# Altium PCB EPS.PcbDoc (part 3 of 10) (continued)
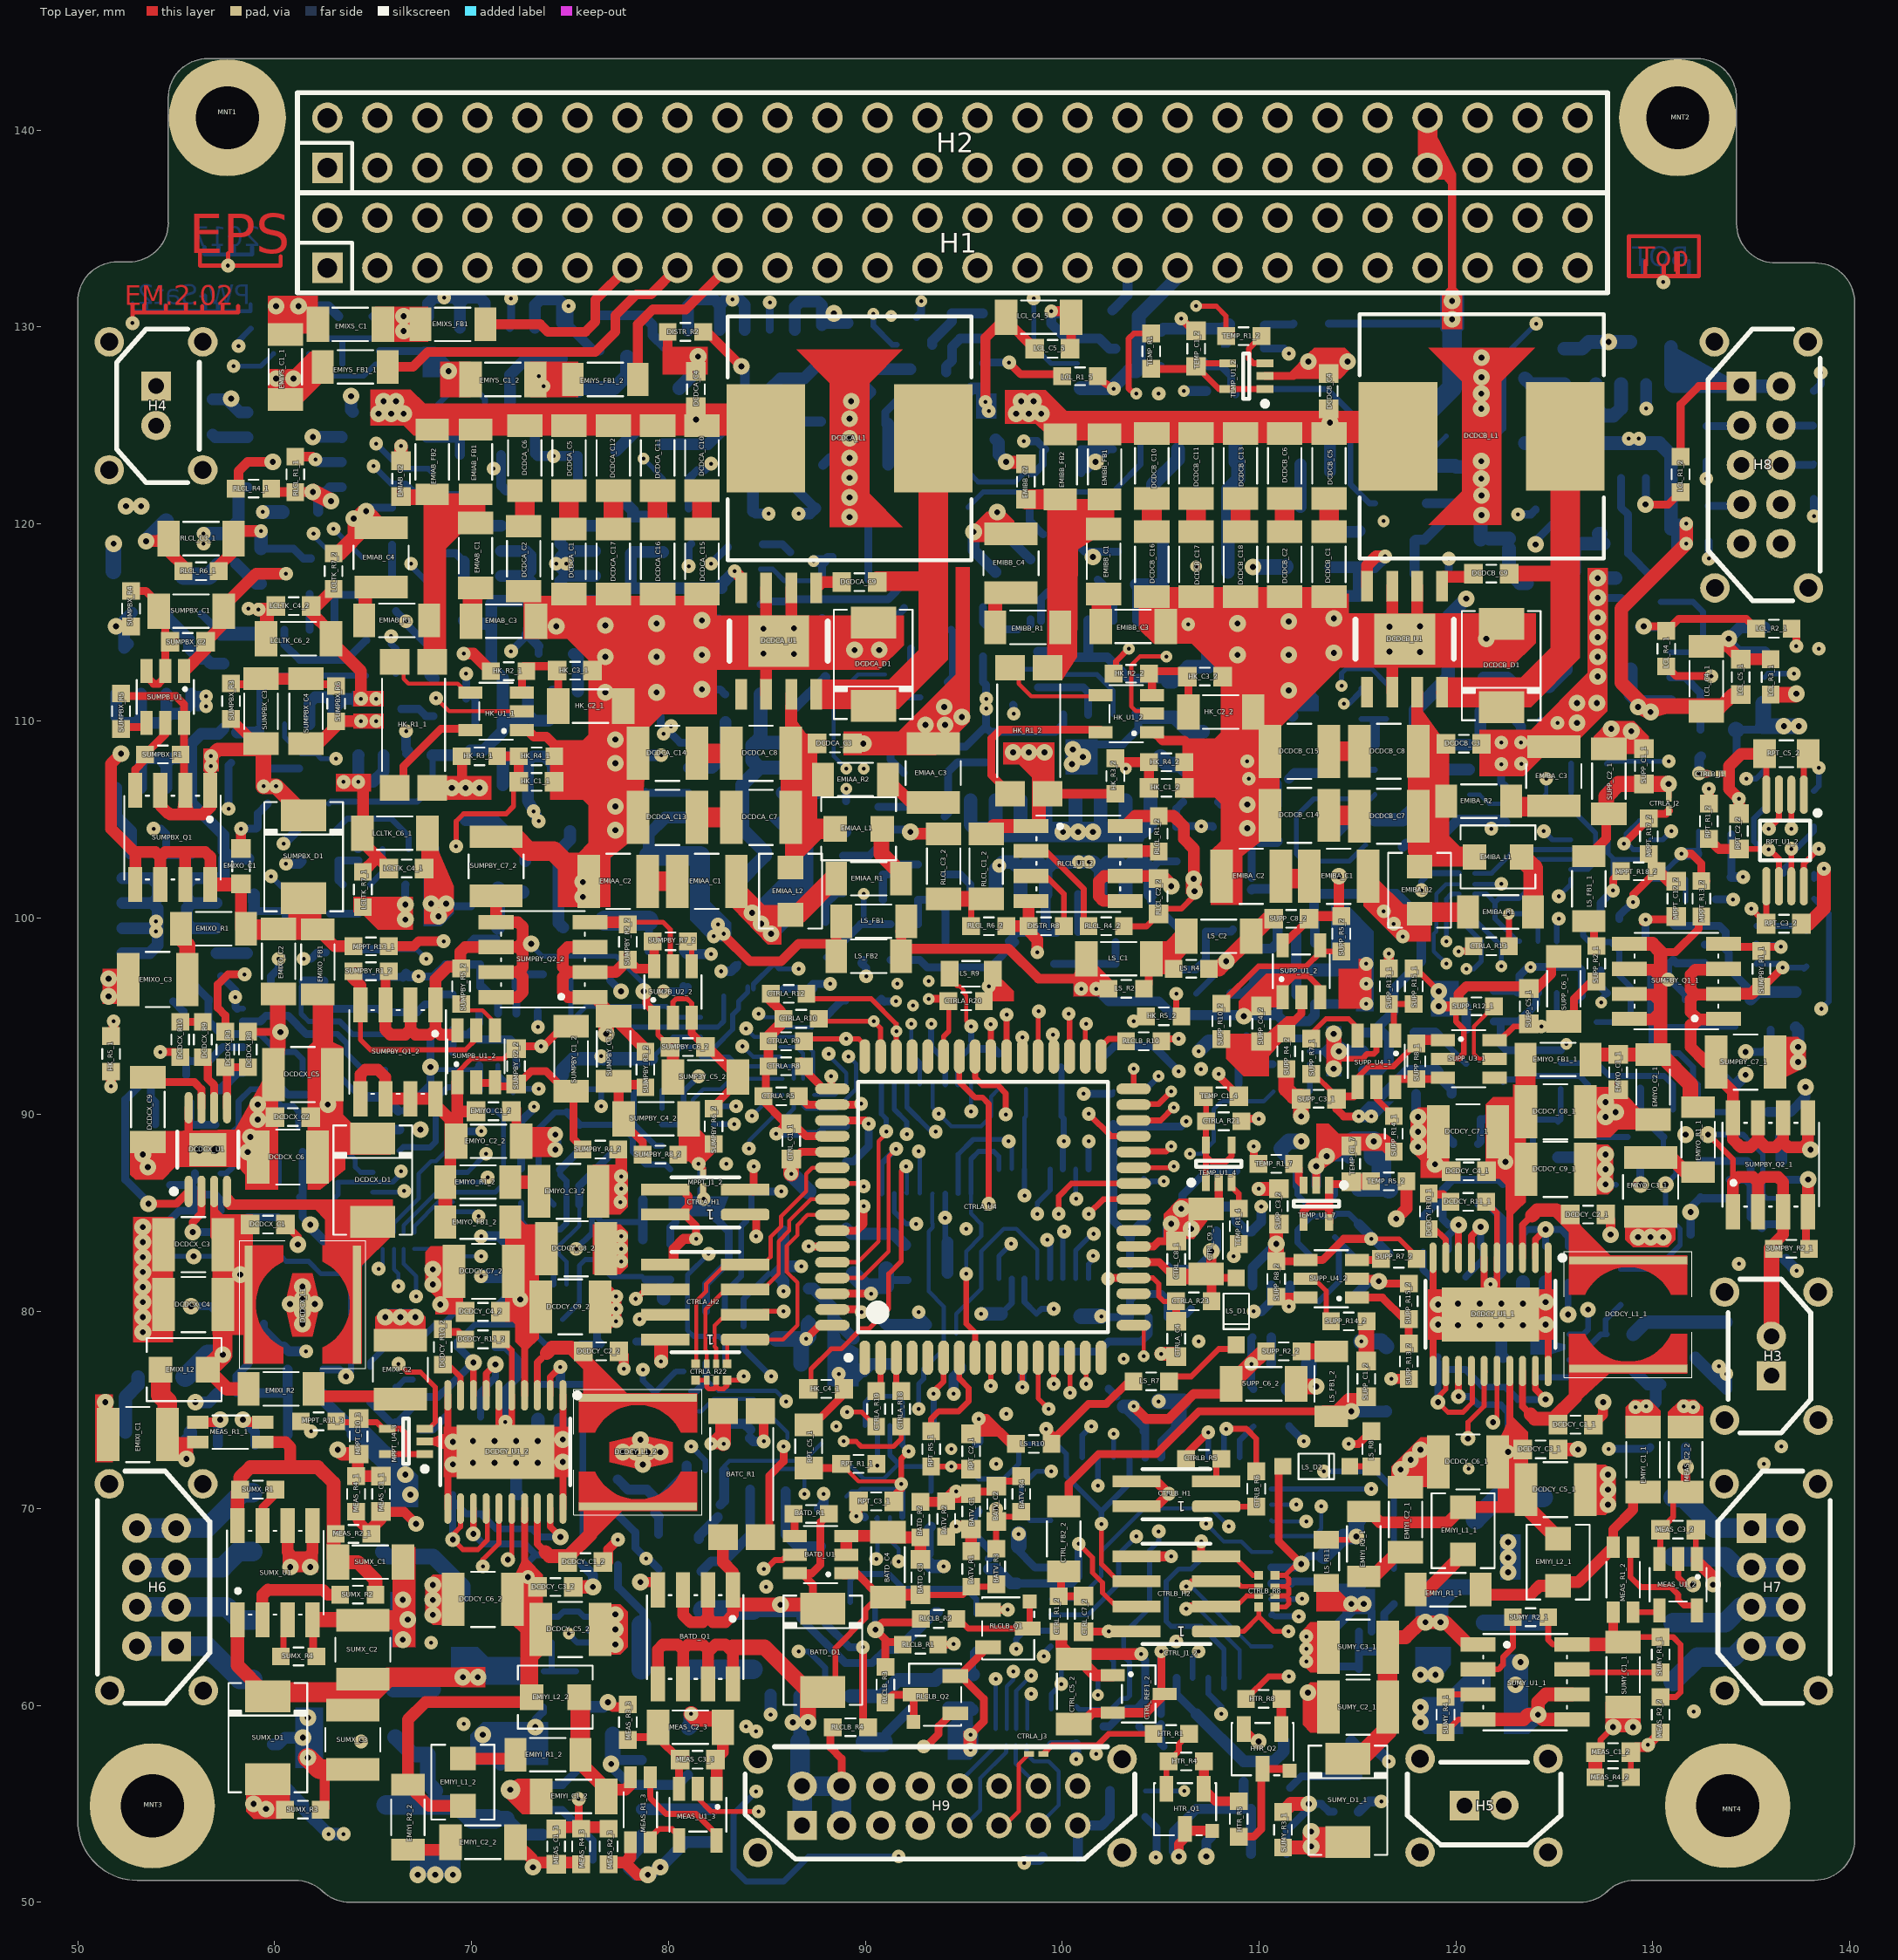
[diagram p0: Top Layer view]
## Footprints (in the part's own frame and the unit in brackets; to place one, negate y for a bottom-side part, rotate by r counter-clockwise, add the part's x,y. Pads: shape width x height; smd on the part's side, far side on the other; paste and mask are expansions set on the pad) (continued)
SMD_FerriteBead_1206 [mm] "SMD Ferrite Bead, Inch 1206, Metric 3216."
  rect 1.1x1.7 smd: 1(-1.65,0) 2(1.65,0)
  silkscreen extent -0.9,-0.85 0.9,0.85, body extent -1.6,-0.8 1.6,0.8, height 1.1
SMD_Resistor-Shunt_1206 [mm] "SMD Shunt Resistor, Inch 1206, Metric 3216."
  rect 1.1x0.65 smd: 1(-1.65,0.5) 2(-1.65,-0.5) 3(1.65,-0.5) 4(1.65,0.5)
  silkscreen extent -0.9,-0.85 0.9,0.85, body extent -1.6,-0.8 1.6,0.8, height 0.7
SMD_Resistor-shunt_2512 [mm] "SMD Shunt Resistor, Inch 2512, Metric 6332."
  rect 1.3x1.5 smd: 1(-3.2,0.95) 2(-3.2,-0.95) 3(3.2,-0.95) 4(3.2,0.95)
  silkscreen extent -2.35,-1.6 2.35,1.6, body extent -3.2,-1.6 3.2,1.6, height 0.8
SMD_Resistor_0603 [mm] "SMD Resistor, Inch 0603, Metric 1608."
  rect 0.9x0.9 smd: 1(-0.9,0) 2(0.9,0)
  silkscreen extent -0.25,-0.45 0.25,0.45, body extent -0.8,-0.45 0.8,0.45, height 0.5
SMD_Resistor_0805 [mm] "SMD Resistor, Inch 0805, Metric 2012."
  rect 0.9x1.3 smd: 1(-1.1,0) 2(1.1,0)
  silkscreen extent -0.45,-0.65 0.45,0.65, body extent -1,-0.62 1,0.63, height 0.5
SMD_Resistor_1206 [mm] "SMD Resistor, Inch 1206, Metric 3216."
  rect 1.1x1.7 smd: 1(-1.65,0) 2(1.65,0)
  silkscreen extent -0.9,-0.85 0.9,0.85, body extent -1.6,-0.8 1.6,0.8, height 0.8
SMD_RESISTOR_ARRAY_YC124 [mm]
  rect 0.45x0.45 smd: 1(0,-0.826) 4(1.6,-0.826) 5(1.6,0) 8(0,0)
  rect 0.3x0.45 smd: 2(0.559,-0.826) 3(1.041,-0.826) 6(1.041,0) 7(0.559,0)
  body extent -0.2,-0.91 1.8,0.09, height 0.45
SOD323 [mm] "JEDEC standard."
  rect 0.8x0.6 smd: A(1.25,0) K(-1.25,0)
  silkscreen extent -0.65,-0.65 0.65,0.65, body extent -1.3,-0.67 1.3,0.68, height 1.1
SOD-123 [mm] "JEDEC standard."
  rect 0.85x0.85 smd: A(1.7,0) K(-1.7,0)
  silkscreen extent -0.9,-0.65 0.9,0.65, body extent -1.85,-0.8 1.85,0.8, height 1.27
SOIC-8-N [mm] "JEDEC standard. SO-8."
  rect 1.78x0.72 smd: 1(-2.42,1.92) 2(-2.42,0.65) 3(-2.42,-0.62) 4(-2.42,-1.89) 5(2.36,-1.89) 6(2.36,-0.62) 7(2.36,0.65) 8(2.36,1.92)
  silkscreen extent -2.15,-2.45 2.11,2.45, body extent -3.02,-2.44 2.98,2.46, height 1.7
SOIC-8-N_SSSGDDDD [mm] "JEDEC standard. SO-8. SSSGDDDD."
  rect 1.78x0.72 smd: D(2.38,1.91) D(2.38,-0.63) D(2.38,0.64) D(2.38,-1.9) G(-2.4,-1.9) S(-2.4,1.91) S(-2.4,-0.63) S(-2.4,0.64)
  silkscreen extent -2.13,-2.46 2.13,2.44, body extent -3,-2.45 3,2.45, height 1.7
SOT23-3 [mm] "JEDEC TO-236AB package."
  rect 1.22x0.62 smd: 1(-1.31,0.95) 2(-1.31,-0.95) 3(1.31,0)
  silkscreen extent -0.85,-1.45 0.85,1.45, body extent -1.4,-1.45 1.4,1.45, height 1.3
SOT23-5 [mm] "JEDEC MO-178AA package."
  rect 1.22x0.62 smd: 1(-1.31,0.95) 2(-1.31,0) 3(-1.31,-0.95) 4(1.31,-0.95) 5(1.31,0.95)
  silkscreen extent -0.85,-1.45 0.85,1.45, body extent -1.4,-1.45 1.4,1.45, height 1.45
SOT23-6 [mm] "JEDEC MO-178AB package."
  rect 1.22x0.62 smd: 1(-1.31,0.95) 2(-1.31,0) 3(-1.31,-0.95) 4(1.31,-0.95) 5(1.31,0) 6(1.31,0.95)
  silkscreen extent -0.85,-1.45 0.85,1.45, body extent -1.4,-1.45 1.4,1.45, height 1.45
TDK_ACM7060 [mm] "TDK Common Mode Filters ACM7060 Series"
  rect 2.5x1.5 smd: 1(-3.3,1.5) 2(-3.3,-1.5) 3(3.3,-1.5) 4(3.3,1.5)
  silkscreen extent -3.5,-3 3.5,3, body extent -3.5,-3 3.5,3, height 3.5
TQFP-44 [mm]
  oval 1.45x0.55 smd: 1(-5.591,4.005) 2(-5.591,3.205) 3(-5.591,2.405) 4(-5.591,1.605) 5(-5.591,0.805) 6(-5.591,0.005) 7(-5.591,-0.795) 8(-5.591,-1.595) 9(-5.591,-2.395) 10(-5.591,-3.195) 11(-5.591,-3.995) 23(5.609,-3.995) 24(5.609,-3.195) 25(5.609,-2.395) 26(5.609,-1.595) 27(5.609,-0.795) 28(5.609,0.005) 29(5.609,0.805) 30(5.609,1.605) 31(5.609,2.405) 32(5.609,3.205) 33(5.609,4.005)
  oval 0.55x1.45 smd: 12(-3.991,-5.595) 13(-3.191,-5.595) 14(-2.391,-5.595) 15(-1.591,-5.595) 16(-0.791,-5.595) 17(0.009,-5.595) 18(0.809,-5.595) 19(1.609,-5.595) 20(2.409,-5.595) 21(3.209,-5.595) 22(4.009,-5.595) 34(4.009,5.605) 35(3.209,5.605) 36(2.409,5.605) 37(1.609,5.605) 38(0.809,5.605) 39(0.009,5.605) 40(-0.791,5.605) 41(-1.591,5.605) 42(-2.391,5.605) 43(-3.191,5.605) 44(-3.991,5.605)
  silkscreen extent -5.72,-4.45 4.46,4.95, body extent -6,-6 6,6, height 1.07
TSSOP8_L [mm] "TSSOP, 8-Leads, Pitch 0.65mm, IPC High Density"
  oval 1.95x0.4 smd: 1(-2.325,2.222) 2(-2.325,1.588) 3(-2.325,0.953) 4(-2.325,0.318) 5(2.325,0.317) 6(2.325,0.952) 7(2.325,1.587) 8(2.325,2.222)
  silkscreen extent -1.52,0 1.02,3.05, body extent -2.5,-0.28 2.5,2.82, height 1.1
TSSOP16 [mm] "Shrink Small Outline; 16 Leads; Body Width 4.4 mm; Pitch 0.65 mm"
  rect 0.3x1.65 smd: 1(-2.275,-2.775) 2(-1.625,-2.775) 3(-0.975,-2.775) 4(-0.325,-2.775) 5(0.325,-2.775) 6(0.975,-2.775) 7(1.625,-2.775) 8(2.275,-2.775) 9(2.275,2.775) 10(1.625,2.775) 11(0.975,2.775) 12(0.325,2.775) 13(-0.325,2.775) 14(-0.975,2.775) 15(-1.625,2.775) 16(-2.275,2.775)
  silkscreen extent -3.1,-2.9 2.55,1.55, body extent -2.5,-3.2 2.5,3.2, height 1.1
Vishay_IHLP1212 [mm] "Vishay Shielded Power Inductor - IHLP1212 Series."
  rect 1.2x1.3 smd: 1(-1.2,0) 2(1.2,0)
  silkscreen extent -1.9,-1.6 1.9,1.6, body extent -1.83,-1.5 1.83,1.5, height 2.02

## Part data
BATC_C1 BATC_C4 BATD_C3 DCDCA_C3 DCDCA_C4 DCDCB_C3 DCDCB_C4 DRLCL_C3_1 DRLCL_C3_2 DRLCL_C4_1 DRLCL_C4_2 RBL_C2 RBL_C4 RLCLB_C4 SUMPBX_C2 SUMPBY_C2_1 SUMPBY_C2_2 SUMPBY_C6_1 SUMPBY_C6_2: library part Cer_GCJ188R71H104KA12D, "Ceramic Cap Murata Automotive 100n/50V X7R 0603", Manufacturer=Murata, ManufacturerPartNumber=GCJ188R71H104KA12D, Package=0603
BATC_C2 BATC_C3 BATD_C4 DCDCX_C9 DRLCL_C2_1 DRLCL_C2_2 EMIXS_C1 EMIXS_C2 EMIXS_C3 EMIYS_C1_1 EMIYS_C1_2 EMIYS_C2_1 EMIYS_C2_2 LCL_C4_1 LCL_C4_2 LCL_C4_3 LCL_C4_4 LCL_C4_5 LCL_C4_6 LCLTK_C2_1 LCLTK_C2_2 LCLTK_C5_1 LCLTK_C5_2 LCLTK_C6_1 LCLTK_C6_2 RLCLB_C3 RLCLB_C5 RLCLB_C8 SUMPBX_C1 SUMPBY_C1_1 SUMPBY_C1_2 SUMPBY_C5_1 SUMPBY_C5_2 SUMX_C1 SUMY_C1_1 SUMY_C1_2: library part Cer_C1206T105K3RALTU, "Ceramic Cap Kemet COTS 1u/25V X7R 1206", Manufacturer=Kemet, ManufacturerPartNumber=C1206T105K3RALTU, Package=1206
BATC_R1 HK_R1_1 HK_R1_2 HK_R1_3: library part LR2512-R033FW, "33mR ,1%, 2W, shunt resistor, TE Connectivity.", Manufacturer="TE Connectivity", Package=2512_Shunt, Power Rating=2W, ManufacturerPartNumber=LR2512-R033FW
BATC_R2 BATC_R3 BATC_R4 BATC_R5 BATD_R1 BATD_R2 BATV_R1 BATV_R2 BATV_R3 BATV_R4 CTRL_R1_1 CTRL_R1_2 DCDCA_R1 DCDCA_R2 DCDCA_R3 DCDCA_R4 DCDCA_R5 DCDCB_R1 DCDCB_R2 DCDCB_R3 DCDCB_R4 DCDCB_R5 DCDCX_R1 DCDCX_R2 DCDCX_R3 DCDCX_R5 DCDCX_R6 DCDCX_R7 DCDCX_R8 DCDCX_R9 DCDCX_R10 DCDCX_R11 DCDCY_R1_1 DCDCY_R1_2 DCDCY_R2_1 DCDCY_R2_2 DCDCY_R3_1 DCDCY_R3_2 DCDCY_R4_1 DCDCY_R4_2 DCDCY_R5_1 DCDCY_R5_2 DCDCY_R6_1 DCDCY_R6_2 DCDCY_R8_1 DCDCY_R8_2 DCDCY_R9_1 DCDCY_R9_2 DCDCY_R10_1 DCDCY_R10_2 DCDCY_R11_1 DCDCY_R11_2 DISTR_R1 DISTR_R2 DISTR_R3 DISTR_R4 DISTR_R5 DISTR_R6 DISTR_R7 DISTR_R8 DRLCL_R2_1 DRLCL_R2_2 DRLCL_R3_1 DRLCL_R3_2 DRLCL_R4_1 DRLCL_R4_2 DRLCL_R5_1 DRLCL_R5_2 DRLCL_R6_1 DRLCL_R6_2 HK_R2_1 HK_R2_2 HK_R2_3 HK_R3_1 HK_R3_2 HK_R3_3 HK_R4_1 HK_R4_2 HK_R4_3 HK_R5_1 HK_R5_2 HK_R5_3 HTR_R1 HTR_R2 HTR_R3 HTR_R4 HTR_R5 HTR_R6 HTR_R7 HTR_R8 LCL_R1_1 LCL_R1_2 LCL_R1_3 LCL_R1_4 LCL_R1_5 LCL_R1_6 LCL_R2_1 LCL_R2_2 LCL_R2_3 LCL_R2_4 LCL_R2_5 LCL_R2_6 LCL_R3_1 LCL_R3_2 LCL_R3_3 LCL_R3_4 LCL_R3_5 LCL_R3_6 LCL_R4_1 LCL_R4_2 LCL_R4_3 LCL_R4_4 LCL_R4_5 LCL_R4_6 LCL_R5_1 LCL_R5_2 LCL_R5_3 LCL_R5_4 LCL_R5_5 LCL_R5_6 LCLTK_R1_1 LCLTK_R1_2 LCLTK_R2_1 LCLTK_R2_2 LCLTK_R3_1 LCLTK_R3_2 LCLTK_R4_1 LCLTK_R4_2 LCLTK_R5_1 LCLTK_R5_2 LCLTK_R6_1 LCLTK_R6_2 LCLTK_R7_1 LCLTK_R7_2 LCLTK_R8_1 LCLTK_R8_2 LCLTK_R9_1 LCLTK_R9_2 LCLTK_R10_1 LCLTK_R10_2 LCLTK_R11_1 LCLTK_R11_2 LCLTK_R12_1 LCLTK_R12_2 LCLTK_R13_1 LCLTK_R13_2 LCLTK_R14_1 LCLTK_R14_2 LCLTK_R15_1 LCLTK_R15_2 LCLTK_R16_1 LCLTK_R16_2 LS_R2 LS_R4 LS_R7 LS_R8 LS_R10 MEAS_R2_1 MEAS_R2_2 MEAS_R2_3 MEAS_R3_1 MEAS_R3_2 MEAS_R3_3 MEAS_R4_1 MEAS_R4_2 MEAS_R4_3 MPPT_R1_1 MPPT_R1_2 MPPT_R1_3 MPPT_R2_1 MPPT_R2_2 MPPT_R2_3 MPPT_R3_1 MPPT_R3_2 MPPT_R3_3 MPPT_R4_1 MPPT_R4_2 MPPT_R4_3 MPPT_R5_1 MPPT_R5_2 MPPT_R5_3 MPPT_R6_1 MPPT_R6_2 MPPT_R6_3 MPPT_R7_1 MPPT_R7_2 MPPT_R7_3 MPPT_R8_1 MPPT_R8_2 MPPT_R8_3 MPPT_R9_1 MPPT_R9_2 MPPT_R9_3 MPPT_R10_1 MPPT_R10_2 MPPT_R10_3 MPPT_R11_1 MPPT_R11_2 MPPT_R11_3 MPPT_R12_1 MPPT_R12_2 MPPT_R12_3 MPPT_R13_1 MPPT_R13_2 MPPT_R13_3 MPPT_R14_1 MPPT_R14_2 MPPT_R14_3 MPPT_R15_1 MPPT_R15_2 MPPT_R15_3 RBL_R1 RBL_R2 RBL_R3 RBL_R4 RBL_R5 RBL_R6 RBL_R7 RBL_R8 RBL_R9 RBL_R10 RLCL_R1_1 RLCL_R1_2 RLCL_R4_1 RLCL_R4_2 RLCL_R6_1 RLCL_R6_2 RLCLB_R1 RLCLB_R2 RLCLB_R3 RLCLB_R4 RLCLB_R6 RLCLB_R8 RLCLB_R9 RLCLB_R10 RLCLB_R11 RLCLB_R12 RLCLB_R13 SEL_R1 SEL_R2 SEL_R3 SEL_R4 SEL_R5 SEL_R6 SEL_R7 SEL_R8 SEL_R9 SEL_R10 SEL_R11 SUMPBX_R1 SUMPBX_R3 SUMPBX_R4 SUMPBX_R5 SUMPBX_R6 SUMPBY_R1_1 SUMPBY_R1_2 SUMPBY_R2_1 SUMPBY_R2_2 SUMPBY_R3_1 SUMPBY_R3_2 SUMPBY_R4_1 SUMPBY_R4_2 SUMPBY_R5_1 SUMPBY_R5_2 SUMPBY_R6_1 SUMPBY_R6_2 SUMPBY_R7_1 SUMPBY_R7_2 SUMPBY_R8_1 SUMPBY_R8_2 SUMX_R1 SUMX_R2 SUMX_R3 SUMX_R4 SUMY_R1_1 SUMY_R1_2 SUMY_R2_1 SUMY_R2_2 SUMY_R3_1 SUMY_R3_2 SUMY_R4_1 SUMY_R4_2 SUPP_R2_1 SUPP_R2_2 SUPP_R4_1 SUPP_R4_2 SUPP_R5_1 SUPP_R5_2 SUPP_R6_1 SUPP_R6_2 SUPP_R7_1 SUPP_R7_2 SUPP_R8_1 SUPP_R8_2 SUPP_R10_1 SUPP_R10_2 SUPP_R11_1 SUPP_R11_2 SUPP_R12_1 SUPP_R12_2 SUPP_R13_1 SUPP_R13_2 SUPP_R14_1 SUPP_R14_2 SUPP_R15_1 SUPP_R15_2: library part Res, Package=0603
BATC_U1 BATC_U2 MEAS_U1_1 MEAS_U1_2 MEAS_U1_3: library part MAX4372, "High-Side Current-Sense Amplifier with Voltage Output", Manufacturer="Maxim Integrated Products"
BATD_D1 DCDCA_D1 DCDCB_D1 DCDCX_D1 SUMPBX_D1 SUMX_D1 SUMY_D1_1 SUMY_D1_2: library part STPS340x, "3A/40V Power Schottky Rectifier.", Manufacturer=STMicroelectronics
BATD_Q1 LCLTK_Q1_1 LCLTK_Q1_2 LCLTK_Q3_1 LCLTK_Q3_2 RBL_Q1 RBL_Q3 SUMPBX_Q1 SUMPBY_Q1_1 SUMPBY_Q1_2 SUMPBY_Q2_1 SUMPBY_Q2_2: "10A/30V HEXFET Power P-MOSFET.", Manufacturer="International Rectifier"
BATD_U1 SUMPB_U1 SUMPB_U1_1 SUMPB_U1_2 SUMPB_U2_1 SUMPB_U2_2: "Ideal Diode, Low Loss PowerPath Controller.", Manufacturer="Linear Technology"
BATV_C1 BATV_C2 CTRL_C1_1 CTRL_C1_2 CTRL_C4_1 CTRL_C4_2 CTRL_C6_1 CTRL_C6_2 CTRL_C7_1 CTRL_C7_2 CTRL_C8_1 CTRL_C8_2 CTRLA_C1 CTRLA_C2 CTRLA_C3 CTRLA_C4 CTRLA_C5 CTRLB_C1 CTRLB_C2 CTRLB_C3 CTRLB_C5 DCDCX_C1 DCDCX_C2 DCDCY_C1_1 DCDCY_C1_2 DCDCY_C2_1 DCDCY_C2_2 DCDCY_C3_1 DCDCY_C3_2 DCDCY_C4_1 DCDCY_C4_2 EMIAB_C2 EMIBB_C2 EMIVBAT_C1 EMIVBAT_C3 EMIXO_C1 EMIYO_C1_1 EMIYO_C1_2 HK_C1_1 HK_C1_2 HK_C1_3 HK_C3_1 HK_C3_2 HK_C3_3 HK_C4_1 HK_C4_2 HK_C4_3 LCL_C2_1 LCL_C2_2 LCL_C2_3 LCL_C2_4 LCL_C2_5 LCL_C2_6 LCL_C5_1 LCL_C5_2 LCL_C5_3 LCL_C5_4 LCL_C5_5 LCL_C5_6 LCLTK_C4_1 LCLTK_C4_2 MEAS_C1_1 MEAS_C1_2 MEAS_C1_3 MEAS_C3_1 MEAS_C3_2 MEAS_C3_3 MPPT_C3_1 MPPT_C3_2 MPPT_C3_3 MPPT_C5_1 MPPT_C5_2 MPPT_C5_3 MPPT_C8_1 MPPT_C8_2 MPPT_C8_3 MPPT_C10_1 MPPT_C10_2 MPPT_C10_3 RLCL_C2_1 RLCL_C2_2 RPT_C3_1 RPT_C3_2 SEL_C2 SEL_C3 SUPP_C1_1 SUPP_C1_2 SUPP_C3_1 SUPP_C3_2 SUPP_C4_1 SUPP_C4_2 SUPP_C5_1 SUPP_C5_2 SUPP_C8_1 SUPP_C8_2 SUPP_C10_1 SUPP_C10_2 TEMP_C1_1 TEMP_C1_2 TEMP_C1_3 TEMP_C1_4 TEMP_C1_5 TEMP_C1_6 TEMP_C1_7: library part Cer_C0603T104K5RALTU, "Ceramic Cap Kemet COTS 100n/50V X7R 0603", Manufacturer=Kemet, ManufacturerPartNumber=C0603T104K5RALTU, Package=0603
CTRL_C2_1 CTRL_C2_2 CTRL_C9_1 CTRL_C9_2 CTRLB_C4 EMIVBAT_C2 EMIVBAT_C4 EMIXO_C2: library part Cer_GCJ31CR71H225KA12L, "Ceramic Cap Murata Automotive 2.2u/50V X7R 1206", Manufacturer=Murata, ManufacturerPartNumber=GCJ31CR71H225KA12L, Package=1206
CTRL_C3_1 CTRL_C3_2 CTRL_C5_1 CTRL_C5_2 DCDCA_C1 DCDCA_C2 DCDCA_C5 DCDCA_C6 DCDCA_C10 DCDCA_C11 DCDCA_C12 DCDCA_C15 DCDCA_C16 DCDCA_C17 DCDCB_C1 DCDCB_C2 DCDCB_C5 DCDCB_C6 DCDCB_C10 DCDCB_C11 DCDCB_C13 DCDCB_C16 DCDCB_C17 DCDCB_C18 DCDCY_C14_1 DCDCY_C14_2 DRLCL_C1_1 DRLCL_C1_2 DRLCL_C5_1 DRLCL_C5_2 EMIAB_C1 EMIAB_C3 EMIBB_C1 EMIBB_C3 EMIYI_C1_1 EMIYI_C1_2 EMIYI_C2_1 EMIYI_C2_2 EMIYO_C2_1 EMIYO_C2_2 HK_C2_1 HK_C2_2 HK_C2_3 LCL_C1_1 LCL_C1_2 LCL_C1_3 LCL_C1_4 LCL_C1_5 LCL_C1_6 LCL_C3_1 LCL_C3_2 LCL_C3_3 LCL_C3_4 LCL_C3_5 LCL_C3_6 LCLTK_C1_1 LCLTK_C1_2 LCLTK_C3_1 LCLTK_C3_2 LS_C1 LS_C2 MEAS_C2_1 MEAS_C2_2 MEAS_C2_3 RBL_C1 RBL_C3 RLCL_C1_1 RLCL_C1_2 RLCL_C3_1 RLCL_C3_2 SEL_C4 SEL_C5 SEL_C6 SEL_C7 SUMPBX_C3 SUMPBX_C4 SUMPBY_C3_1 SUMPBY_C3_2 SUMPBY_C4_1 SUMPBY_C4_2 SUPP_C2_1 SUPP_C2_2 SUPP_C6_1 SUPP_C6_2 SUPP_C7_1 SUPP_C7_2 SUPP_C9_1 SUPP_C9_2: library part Cer_C1206T106K4RACTU, "Ceramic Cap Kemet COTS 10u/16V X7R 1206", Manufacturer=Kemet, ManufacturerPartNumber=C1206T106K4RACTU, Packge=1206
CTRL_FB1_1 CTRL_FB1_2 CTRL_FB2_1 CTRL_FB2_2 EMIAB_FB1 EMIAB_FB2 EMIBB_FB1 EMIBB_FB2 EMIVBAT_FB1 EMIVBAT_FB2 EMIXO_FB1 EMIXS_FB1 EMIXS_FB2 EMIXS_FB3 EMIYO_FB1_1 EMIYO_FB1_2 EMIYS_FB1_1 EMIYS_FB1_2 EMIYS_FB2_1 EMIYS_FB2_2 LS_FB1 LS_FB1_1 LS_FB1_2 LS_FB2: library part BLM31PG121SH1L, "Ferrite bead, 1206, 0.02HM, 3.5A.", Current Rating=3.5A, Manufacturer=Murata, Package=1206, Series Resistance DC=0.02R, ManufacturerPartNumber=BLM31PG121SH1L
CTRL_J1_1 CTRL_J1_2 CTRLA_J1 CTRLA_J2 CTRLA_J3 CTRLA_J4 CTRLB_J1 MPPT_J1_1 MPPT_J1_2 MPPT_J1_3: library part 2way, ComponentLink1Description=Source, ComponentLink1URL=http://www.edatools.cz/addons, FootprintNote="LP=12mil, MP=40mil, HP=120mil"
CTRL_REF1_1 CTRL_REF1_2: library part LM4040DIM3-3.0, "Shunt V-REF, 3V, 1%, SOT23-3", Manufacturer="Texas Instruments", HelpUrl=http://www.ti.com/lit/ds/symlink/lm4040-n.pdf, ManufacturerPartNumber=LM4040DIM3-3.0
CTRLA_H1 CTRLB_H1: library part "Header 2X2", "Header, 2-Pin, Dual row", LatestRevisionDate=17-Jul-2002, LatestRevisionNote="Re-released for DXP Platform.", Publisher="Altium Limited"
CTRLA_H2 CTRLB_H2: library part "Header 4X2", "Header, 4-Pin, Dual row", LatestRevisionDate=17-Jul-2002, LatestRevisionNote="Re-released for DXP Platform.", Publisher="Altium Limited"
CTRLA_R1 CTRLA_R11 CTRLA_R16 CTRLA_R22 CTRLA_R24 CTRLB_R8: library part YC124-JR-072K2L, "RESISTOR ARRAY, 4 x 0402", URL=http://pl.farnell.com/yageo-phycomp/yc124-jr-072k2l/resistor-array-arv341-4-x-0402/dp/9235388
CTRLA_R2 CTRLA_R3 CTRLA_R4 CTRLA_R5 CTRLA_R6 CTRLA_R7 CTRLA_R8 CTRLA_R9 CTRLA_R10 CTRLA_R12 CTRLA_R13 CTRLA_R14 CTRLA_R15 CTRLA_R17 CTRLA_R18 CTRLA_R19 CTRLA_R20 CTRLA_R23 CTRLA_R25 CTRLB_R1 CTRLB_R2 CTRLB_R3 CTRLB_R4 CTRLB_R5 CTRLB_R6 CTRLB_R7 CTRLB_R9 CTRLB_R11 MPPT_R16_1 MPPT_R16_2 MPPT_R16_3 MPPT_R17_1 MPPT_R17_2 MPPT_R17_3 MPPT_R18_1 MPPT_R18_2 MPPT_R18_3 RPT_R1_1 RPT_R1_2 RPT_R2_1 RPT_R2_2: library part CRCW06034K70FKxxxx, "4.7k/1% Vishay CRCW 0603 Resistor. 100mW, 100ppm, 75V.", Manufacturer=Vishay, Package=0603, ManufactuerPartNumber=CRCW06034K70FKxxxx
CTRLA_R21 CTRLB_R10 TEMP_R1 TEMP_R1_1 TEMP_R1_2 TEMP_R1_3 TEMP_R1_4 TEMP_R1_5 TEMP_R1_6 TEMP_R1_7 TEMP_R2 TEMP_R4 TEMP_R5_1 TEMP_R5_2: library part CRCW06031K00FKxxxx, "1k/1% Vishay CRCW 0603 Resistor. 100mW, 100ppm, 75V.", Manufacturer=Vishay, Package=0603, ManufacturerPartNumber=CRCW06031K00FKxxxx
CTRLA_U1 SEL_U1 SEL_U2: "TinyLogic UHS TinyLogic UHS Two-Input NAND Gate.", Manufacturer="Fairchild Semiconductor"
CTRLA_U2 CTRLA_U3: "CMOS Analog 4-Channel Multiplexer", Manufacturer="Analog Devices", ManufacturerPartNumber=ADG709
CTRLA_U4: library part ATmega325PA-AU, "8-bit AVR Microcontroller, 1.5-5.5V, 32KB Flash, 1KB EEPROM, 2KB SRAM, 64-pin TQFP, Industrial Grade (-40°C to 85°C)", Code_JEDEC=MS-026-AEB, ComponentLink1Description="Manufacturer URL", ComponentLink1URL=http://www.atmel.com/, ComponentLink2Description="ATmega165A/PA/325A/PA/3250A/PA/645A/P/6450A/P Datasheet", ComponentLink2URL=http://www.atmel.com/dyn/resources/prod_documents/doc8285.pdf, ComponentLink3Description="ATmega165A/PA/325A/PA/3250A/PA/645A/P/6450A/P Summary", ComponentLink3URL=http://www.atmel.com/dyn/resources/prod_documents/8285S.pdf, DatasheetVersion="revD, Jun-2011", PackageDescription="64-Pin Plastic Thin Profile Quad Flat Pack, 14 x 14 x 1.0 mm Body, 0.8 mm Pitch (TQFP)", PackageReference=64A, PackageVersion="revC, Oct-2010"
CTRLB_U1: "General-purpose microcontroller"
DCDCA_C7 DCDCA_C8 DCDCA_C13 DCDCA_C14 DCDCB_C7 DCDCB_C8 DCDCB_C14 DCDCB_C15 DCDCX_C3 DCDCX_C4 DCDCX_C5 DCDCX_C6 DCDCY_C5_1 DCDCY_C5_2 DCDCY_C6_1 DCDCY_C6_2 DCDCY_C7_1 DCDCY_C7_2 DCDCY_C8_1 DCDCY_C8_2 DCDCY_C9_1 DCDCY_C9_2 EMIAA_C1 EMIAA_C2 EMIAA_C3 EMIAB_C4 EMIBA_C1 EMIBA_C2 EMIBA_C3 EMIBB_C4 EMIVBAT_C5 EMIXI_C1 EMIXI_C2 EMIXO_C3 EMIYO_C3_1 EMIYO_C3_2 RLCLB_C1 RLCLB_C2 RLCLB_C6 RLCLB_C7 SUMPBY_C7_1 SUMPBY_C7_2: library part Cer_GCJ32ER71E106KA12L, "Ceramic Cap Murata Automotive 10u/25V X7R 1210", Manufacturer=Murata, ManufacturerPartNumber=GCJ32ER71E106KA12L, Package=1210
DCDCA_C9 DCDCA_C18 DCDCA_C20 DCDCB_C9 DCDCB_C19 DCDCB_C21 DCDCX_C7 DCDCX_C8 DCDCY_C10_1 DCDCY_C10_2 DCDCY_C11_1 DCDCY_C11_2 DCDCY_C12_1 DCDCY_C12_2 DCDCY_C13_1 DCDCY_C13_2 MPPT_C1_1 MPPT_C1_2 MPPT_C1_3 MPPT_C2_1 MPPT_C2_2 MPPT_C2_3 MPPT_C4_1 MPPT_C4_2 MPPT_C4_3 MPPT_C6_1 MPPT_C6_2 MPPT_C6_3 MPPT_C7_1 MPPT_C7_2 MPPT_C7_3 MPPT_C9_1 MPPT_C9_2 MPPT_C9_3 MPPT_C11_1 MPPT_C11_2 MPPT_C11_3 MPPT_C12_1 MPPT_C12_2 MPPT_C12_3 SEL_C1: Package=0603
DCDCA_C19 DCDCB_C20: library part Cer_GCM188R71H154KA64D, "Ceramic Cap Murata Automotive 150n/50V X7R 0603", Manufacturer=Murata, ManufacturerPartNumber=GCM188R71H154KA64D, Package=0603
DCDCA_L1 DCDCB_L1: library part MSS1260-273MLx, "Coilcraft MSS1260 Inductor, L=27uH, Irise20deg=2.1A, ESR=50mR, SRF=13MHz.", Manufacturer=Coilcraft, ManufacturerPartNumber=MSS1260-273MLx
DCDCA_U1 DCDCB_U1: library part TPS5430, "TPS5430 3-A, Wide Input Range, Step-Down Converter", Manufacturer="Texas Instruments"
DCDCX_L1: library part MSS6132-472MLx, "Coilcraft MSS6132 Inductor, L=4.7uH, Irise20deg=2.3A, ESR=43mR, SRF=65MHz.", Manufacturer=Coilcraft, ManufacturerPartNumber=MSS6132-472MLx
DCDCX_U1: library part LT3580MPMS8E, "Boost Conv 2A, Soft-Start, Synchro", Manufacturer="Linear Technology", HelpUrl=http://cds.linear.com/docs/en/datasheet/3580fg.pdf, ManufacturerPartNumber=LT3580MPMS8E
DCDCY_L1_1 DCDCY_L1_2: library part MSS6132-682MLx, "Coilcraft MSS6132 Inductor, L=6.8uH, Irise20deg=2.1A, ESR=52mR, SRF=47MHz.", Manufacturer=Coilcraft, ManufacturerPartNumber=MSS6132-682MLx
DCDCY_R7_1 DCDCY_R7_2: library part CRCW06032M00FKxxxx, "2M/1% Vishay CRCW 0603 Resistor. 100mW, 200ppm, 75V.", Manufacturer=Vishay, Package=0603, ManufacturerPartNumber=CRCW06032M00FKxxxx
DCDCY_U1_1 DCDCY_U1_2: "40V, 2A Synchronous Buck-Boost DC/DC Converter, 20-pin SOP (FE-20-EPV-CA), -40 to 150 degC, Pb-Free", Manufacturer="Linear Technology", Package=FE-20-EPV-CA
DRLCL_U1_1 DRLCL_U1_2 LCL_U1_1 LCL_U1_2 LCL_U1_3 LCL_U1_4 LCL_U1_5 LCL_U1_6 LCLTK_U1_1 LCLTK_U1_2 RLCLB_U1 SUMX_U1 SUMY_U1_1 SUMY_U1_2: "Adj over-current protection 0.4-2A, Load Switch", Manufacturer="Fairchild Semiconductor"
EMIAA_L1 EMIBA_L1 EMIXI_L1 EMIYI_L1_1 EMIYI_L1_2: library part IHLP1212BZERR56M11, "Vishay IHLP1212 Inductor, L=0.56uH, Irise40deg=5.5A, ESR=16mR, SRF=1MHz.", Manufacturer=Vishay, ManufacturerPartNumber=IHLP1212BZERR56M11
EMIAA_L2 EMIBA_L2 EMIXI_L2 EMIYI_L2_1 EMIYI_L2_2: library part IHLP1212BZER1R0M11, "Vishay IHLP1212 Inductor, L=1uH, Irise40deg=5A, ESR=20mR, SRF=1MHz.", Manufacturer=Vishay, ManufacturerPartNumber=IHLP1212BZER1R0M11
EMIAA_R1 EMIBA_R1 EMIXI_R1 EMIYI_R1_1 EMIYI_R1_2: library part ERJ-8BQFR22V, "Panasonic Resistor 0.22R 1% 1206 330mW", Manufacturer=Panasonic, Package=1206, ManufacturerPartNumber=ERJ-8BQFR22V
EMIAA_R2 EMIBA_R2: library part ERJ-8BQF1R0V, "Panasonic Resistor 1R 1% 1206 330mW", Manufacturer=Panasonic, Package=1206, ManufacturerPartNumber=ERJ-8BQF1R0V
EMIAB_R1 EMIBB_R1 EMIVBAT_R1: library part CRCW12061R00FKxxxx, "1R/1% Vishay CRCW 1206 Resistor. 250mW, 100ppm, 200V.", Manufacturer=Vishay, Package=1206, ManufacturerPartNumber=CRCW12061R00FKxxxx
EMIXI_R2 EMIYI_R2_1 EMIYI_R2_2: library part ERJ-8BQFR33V, "Panasonic Resistor 0.33R 1% 1206 330mW", Manufacturer=Panasonic, Package=1206, ManufacturerPartNumber=ERJ-8BQFR33V
EMIXO_R1 EMIYO_R1_1 EMIYO_R1_2: library part ERJ-8BQFR47V, "Panasonic Resistor 0.47R 1% 1206 330mW", Manufacturer=Panasonic, Package=1206, ManufacturerPartNumber=ERJ-8BQFR47V
EMIXS_T1 EMIXS_T2 EMIYS_T1_1 EMIYS_T1_2: library part ACM7060-301-2PL-TL01, "TDK ACM7060-301 Common Mode Choke", Manufacturer=TDK, ManufacturerPartNumber=ACM7060-301-2PL-TL01
H1 H2: library part Samtec_ESQ-126-xx-x-D, "Samtec ESQ Series Header , 2.54mm pitch, 2x26pin. PC-104 Stack Connector.", HelpUrl=http://suddendocs.samtec.com/catalog_english/esq_th.pdf
H3 H4 H5: library part Harwin_Datamate_L-Tek_1x2pin, "Harwin DataMate L-Tek, 2mm pitch, 1x2pin."
H6 H7: library part Harwin_Datamate_L-Tek_2x4pin, "Harwin DataMate L-Tek, 2mm pitch, 2x4pin."
H8: library part Harwin_Datamate_L-Tek_2x5pin, "Harwin DataMate L-Tek, 2mm pitch, 2x5pin."
H9: library part Harwin_Datamate_L-Tek_2x8pin, "Harwin DataMate L-Tek, 2mm pitch, 2x8pin."
HK_U1_1 HK_U1_2 HK_U1_3: "High-Side Current-Sense Amplifier with Voltage Output", Manufacturer="Maxim Integrated Products"
HTR_Q1: "Silicon Planar Epitaxial PNP Transistor.", Manufacturer=Semelab-TT
HTR_Q2 LCLTK_Q2_1 LCLTK_Q2_2 LCLTK_Q4_1 LCLTK_Q4_2 RBL_Q2 RBL_Q4 RLCLB_Q1 RLCLB_Q2 SEL_Q1 SEL_Q2: "Silicon Planar Epitaxial NPN Transistor.", Manufacturer=Semelab-TT
HTR_Q3: "N-Channel Enhancement Mode MOS Transistor.", Manufacturer=Semelab-TT
LS_D1 LS_D2: "Small Signal Fast Switching Diode", Manufacturer=Vishay
LS_R9 LS_R11: library part Res, Package=0805
MEAS_R1_1 MEAS_R1_2 MEAS_R1_3: library part ERJ-8BWFR068V, "Panasonic Resistor 68mR 1% 1206 1W", Manufacturer=Panasonic, Package=1206_Shunt, ManufacturerPartNumber=ERJ-8BWFR068V
MNT1 MNT2 MNT3 MNT4: library part MntHole, "PCB Mounting Hole"
MPPT_U1_1 MPPT_U1_2 MPPT_U1_3: "Rail-to-rail, quad operational amplifier. Library compatible with LTC608X LTC607X op-amps", Manufacturer="Linear Technology"
MPPT_U2_1 MPPT_U2_2 MPPT_U2_3: "12-Bit Micro Power, RRO Digital-to-Analog Converter.", Manufacturer="Texas Instruments"
MPPT_U3_1 MPPT_U3_2 MPPT_U3_3: library part ADC124S021CIMM/NOPB, Manufacturer="Texas Instruments", ManufacturerPartNumber=ADC124S021CIMM/NOPB
MPPT_U4_1 MPPT_U4_2 MPPT_U4_3 TEMP_U1_1 TEMP_U1_2 TEMP_U1_3 TEMP_U1_4 TEMP_U1_5 TEMP_U1_6 TEMP_U1_7: "Analog Temperature Sensors with Class-AB Output"
MPPT_U5_1 MPPT_U5_2 MPPT_U5_3: library part TLV2370IDBVR, "3-MHz Rail-to-Rail In/Out Single Operational Amplifier", Manufacturer="Texas Instruments", HelpUrl=http://www.ti.com/lit/ds/symlink/tlv2370.pdf, ManufacturerPartNumber=TLV2370IDBVR
RLCL_U1_1 RLCL_U1_2: "Adj over-current protection 0.4-2A with auto-reset, Load Switch", Manufacturer="Fairchild Semiconductor"
RPT_C1_1 RPT_C1_2 RPT_C2_1 RPT_C2_2: library part Cer_GCM1885C1H100JA16D, "Ceramic Cap Murata Automotive 10p/50V C0G 0603", Manufacturer=Murata, ManufacturerPartNumber=GCM1885C1H100JA16D, Package=0603
RPT_C5_1 RPT_C5_2: Package=0805
RPT_R3_1 RPT_R3_2 RPT_R4_1 RPT_R4_2 RPT_R5_1 RPT_R5_2 RPT_R6_1 RPT_R6_2: library part CRCW0603100RFKxxxx, "100R/1% Vishay CRCW 0603 Resistor. 100mW, 100ppm, 75V.", Manufacturer=Vishay, Package=0603, ManufacturerPartNumber=CRCW0603100RFKxxxx
RPT_U1_1 RPT_U1_2: "Level-Translating I2C Bus Repeater", Manufacturer="Texas Instruments", ManufacturerPartNumber=PCA9517
SEL_D1 SEL_D2 SEL_D3 SEL_D4 SEL_D5 SEL_D6: "Madium Power AF Schottky 750mA 40V Diode", Manufacturer=Infineon
SUMX_C2 SUMX_C3 SUMY_C2_1 SUMY_C2_2 SUMY_C3_1 SUMY_C3_2: library part Cer_GCM32EC7YA106KA03K, "Ceramic Cap Murata Automotive 10u/35V X7S 1210", Manufacturer=Murata, ManufacturerPartNumber=GCM32EC7YA106KA03K, Package=1210
SUPP_U1_1 SUPP_U1_2 SUPP_U2_1 SUPP_U2_2: "100mA, Regulated, Low Noise, LDO Micropower Regulator in TSOT-23", Manufacturer="Linear Technology"
SUPP_U3_1 SUPP_U3_2: "Adjustable Current-Limited Power-Distribution Switch.", Manufacturer="Texas Instruments"
SUPP_U4_1 SUPP_U4_2: "Processor Supervisory Circuits with Window-Watchdog.", Manufacturer="Texas Instruments"

## Via types
v1: diameter 0.7, hole 0.2, Top Layer to Bottom Layer, 431 vias
v2: diameter 0.85, hole 0.3, Top Layer to Bottom Layer, 345 vias
v3: diameter 0.6, hole 0.2, Top Layer to Bottom Layer, 62 vias
v4: diameter 0.8, hole 0.3, Top Layer to Bottom Layer, 19 vias
v5: diameter 0.75, hole 0.3, Top Layer to Bottom Layer, 7 vias
v6: diameter 1, hole 0.4, Top Layer to Bottom Layer, 2 vias
v7: diameter 0.7, hole 0.3, Top Layer to Bottom Layer, 2 vias
v8: diameter 1, hole 0.3, Top Layer to Bottom Layer, 1 vias

## Nets (pads, with @x,y where several pads share a name; then routed paths per layer and width w, separated by ;. In a path a pad name is that pad's centre, name@x,y a point inside that pad or via, vN(x,y) a via of type N, cw(c..) or ccw(c..) an arc to the next point about the centre after c; other vN are vias at no path point)
AGND: MPPT_C3_1.1 MPPT_C3_2.1 MPPT_C3_3.1 MPPT_C5_1.2 MPPT_C5_2.2 MPPT_C5_3.2 MPPT_C6_1.1 MPPT_C6_2.1 MPPT_C6_3.1 MPPT_C7_1.1 MPPT_C7_2.1 MPPT_C7_3.1 MPPT_C8_1.2 MPPT_C8_2.2 MPPT_C8_3.2 MPPT_C9_1.1 MPPT_C9_2.1 MPPT_C9_3.1 MPPT_C11_1.1 MPPT_C11_2.1 MPPT_C11_3.1 MPPT_C12_1.1 MPPT_C12_2.1 MPPT_C12_3.1 MPPT_J1_1.2 MPPT_J1_2.2 MPPT_J1_3.2 MPPT_R3_1.1 MPPT_R3_2.1 MPPT_R3_3.1 MPPT_R7_1.1 MPPT_R7_2.1 MPPT_R7_3.1 MPPT_R9_1.1 MPPT_R9_2.1 MPPT_R9_3.1 MPPT_R14_1.1 MPPT_R14_2.1 MPPT_R14_3.1 MPPT_R18_1.2 MPPT_R18_2.2 MPPT_R18_3.2 MPPT_U1_1.4 MPPT_U1_2.4 MPPT_U1_3.4 MPPT_U2_1.2 MPPT_U2_2.2 MPPT_U2_3.2 MPPT_U3_1.3 MPPT_U3_2.3 MPPT_U3_3.3 MPPT_U5_1.2 MPPT_U5_2.2 MPPT_U5_3.2 | length 78.3
  Top Layer w0.3: MPPT_J1_2.2@81.763,86.258 81.763,85.75 v1(81.788,85.725)
  Top Layer w0.4: v1(127.978,101.384) 127.978,101.954 MPPT_R18_2.2@128.386,102.362 ; v1@129.502,99.784 v1(129.629,99.911) 130.783,99.911 MPPT_C12_2.1@130.899,100.027
  Bottom Layer w0.254: MPPT_U3_1.3@64.993,86.068 66.637,86.068 66.586,86.119 v1(66.577,86.119) ; MPPT_C11_3.1@79.121,92.826 80.237,93.942 MPPT_U3_3.3@81.63,93.942 ; MPPT_C8_2.2@127.724,105.245 127.724,103.289 128.054,102.959 MPPT_U3_2.3@129.876,102.959 ; v1(127.978,101.384) 127.978,102.959
  Bottom Layer w0.3: MPPT_U1_1.4@58.094,95.384 MPPT_U1_1.4@58.382,95.384 ; MPPT_C5_1.2@64.135,89.143 MPPT_C5_1.2@64.235,89.243 ; MPPT_R3_3.1@72.86,81.739 MPPT_R3_3.1@72.898,81.777 73.506,82.385 74.003,82.385 74.171,82.217 MPPT_U1_3.4@74.171,81.376 ; MPPT_U2_3.2@79.678,89.497 80.48,89.497 80.772,89.789 80.772,91.186 v1(81.534,91.948) ; MPPT_J1_3.2@81.61,86.208 81.61,85.903 v1(81.788,85.725) ; MPPT_C7_3.1@87.312,96.468 MPPT_C7_3.1@87.376,96.404
  Bottom Layer w0.4: v2(55.753,80.264) 56.758,80.264 MPPT_C7_1.1@57.647,79.375 ; MPPT_R9_1.1@57.288,97.028 58.001,96.315 v1(58.001,95.974) 58.001,95.477 MPPT_U1_1.4@58.094,95.384 ; MPPT_R14_1.1@61.292,85.814 MPPT_R14_1.1@61.419,85.687 ; MPPT_C9_1.1@61.419,88.1 MPPT_R14_1.1@61.419,85.687 ; v2(61.811,84.417) 61.419,84.809 MPPT_R14_1.1@61.419,85.687 ; MPPT_R3_1.1@64.478,97.001 MPPT_R7_1.1@66.521,97.001 ; v1(67.307,97.023) 68.067,97.023 68.669,97.625 70.436,97.625 MPPT_C12_1.1@70.436,96.482 70.574,96.482 71.336,95.72 MPPT_U5_1.2@71.336,95.125 ; MPPT_R9_3.1@80.099,83.412 80.099,84.279 MPPT_C3_3.1@80.364,84.544 ; v1(81.788,85.725) 82.285,85.228 MPPT_C12_3.1@82.285,84.963 ; MPPT_U5_3.2@81.915,80.012 81.915,81.407 83.058,82.55 83.058,84.074 MPPT_C12_3.1@82.423,84.709 ; MPPT_C8_3.2@85.863,96.393 85.863,96.404 87.365,96.404 87.238,96.531 MPPT_C7_3.1@87.376,96.531 ; MPPT_C7_3.1@87.348,96.641 v1(88.216,96.641) ; MPPT_C5_2.2@121.92,94.742 123.19,94.742 124.066,95.618 124.066,96.086 MPPT_U2_2.2@124.168,96.188 ; MPPT_C5_2.2@122.263,94.566 122.263,93.572 MPPT_R9_2.1@122.39,93.445 122.569,93.266 MPPT_U1_2.4@125.318,93.266 ; MPPT_U5_2.2@127.343,99.951 127.343,100.749 v1(127.978,101.384) ; MPPT_C3_2.1@129.364,87.592 129.364,86.46 v2(129.375,86.449) ; MPPT_C6_2.1@129.629,98.906 v1(129.629,99.911) ; MPPT_R7_2.1@132.931,92.661 134.085,91.507 MPPT_R3_2.1@134.085,91.402 ; MPPT_C9_2.1@133.985,102.07 MPPT_R14_2.1@133.985,104.24
  Bottom Layer w0.5: v2(61.811,84.417) 61.811,84.279 MPPT_C8_1.2@63.208,82.882 ; MPPT_C5_1.2@64.235,89.243 MPPT_U2_1.2@66.343,89.243 ; MPPT_R7_1.1@66.521,97.001 66.675,97.155 66.807,97.023 v1(67.307,97.023) ; MPPT_C7_2.1@127.724,106.515 127.724,105.361 MPPT_C8_2.2@127.84,105.245 ; MPPT_C9_2.1@133.985,102.07 v1(134.582,102.07)
  Bottom Layer w0.6: MPPT_C5_3.2@71.59,81.739 MPPT_R3_3.1@72.86,81.739 ; MPPT_R3_2.1@134.085,91.402 v4(134.709,92.026)
  Bottom Layer w0.7: v1(70.485,81.788) MPPT_C5_3.2@71.541,81.788 ; MPPT_R7_3.1@74.612,92.023 74.612,92.266 75.184,92.837 76.454,92.837 v1(76.581,92.964) 76.708,92.837 MPPT_C11_3.1@79.121,92.837
  other v2: 67.399,89.243
  other v3: 125.603,93.599
BAT_MEAS_VOLTAGE_N: BATV_C1.1 BATV_R1.2 BATV_R2.1 CTRLA_U3.10 | length 23.3
  Top Layer w0.4: BATV_R2.1@94.069,68.531 94.069,68.771 94.298,68.771 v1(94.615,69.088) 94.693,69.166 BATV_C1.1@95.339,69.166
  Top Layer w0.6: BATV_R1.2@95.377,67.829 BATV_C1.1@95.377,68.95
  Signal 1 w0.254: v1(94.615,69.088) 97.409,71.882 97.409,73.152 97.917,73.66 97.917,74.93 98.806,75.819 98.806,81.226 101.527,83.947 v1(101.6,83.947)
  Bottom Layer w0.254: CTRLA_U3.10@100.685,81.68 100.685,83.105 101.527,83.947 v1(101.6,83.947)
BAT_MEAS_VOLTAGE_R: BATV_C2.1 BATV_R3.2 BATV_R4.1 CTRLB_U1.36 | length 17.3
  Top Layer w0.3: BATV_R3.2@96.647,67.956 BATV_C2.1@96.647,69.331 96.901,69.585 BATV_R4.1@97.917,69.585
  Control Signals 2 w0.3: v1(96.647,69.977) 102.362,69.977 v1(103.759,68.58)
  Bottom Layer w0.254: CTRLB_U1.36@99.417,64.593 101.296,64.593 102.87,66.167 102.87,67.691 v1(103.759,68.58)
CHRG_LCL_FB: CTRLA_R20.2 CTRLA_U4.43 RLCLB_U1.7 | length 49.6
  Top Layer w0.254: CTRLA_U4.43@93.974,92.956 93.974,93.974 94.234,94.234 CTRLA_R20.2@94.234,95.62
  Top Layer w0.4: v3(93.218,95.885) 93.842,95.885 94.096,95.631 CTRLA_R20.2@94.223,95.758 CTRLA_R20.2@94.234,95.747
  Signal 1 w0.254: v3(88.519,74.168) 89.662,74.168 90.424,74.93 90.424,78.359 88.392,80.391 88.392,90.678 91.313,93.599 93.472,93.599 94.107,94.234 94.107,94.996 v3(93.218,95.885)
  Signal 2 w0.254: v1(86.614,62.738) 83.947,65.405 83.947,69.596 v3(88.519,74.168) v3@88.519,74.041
  Bottom Layer w0.3: v1(86.614,62.738) 87.122,62.738 87.958,61.902 RLCLB_U1.7@87.958,60.467
CHRG_LCLN_ON: CTRLA_U4.33 RLCLB_R10.1 | length 1.7
  Top Layer w0.3: CTRLA_U4.33@101.97,92.96 CTRLA_U4.33@101.974,92.956 ; CTRLA_U4.33@101.981,93.218 101.981,93.472 102.362,93.853 RLCLB_R10.1@103.24,93.853
CHRG_LCLR_ON: CTRLB_U1.11 RLCLB_R9.1 | length 1.9
  Bottom Layer w0.3: CTRLB_U1.11@109.017,72.593 109.017,73.468 RLCLB_R9.1@109.717,74.168